# KiCad board sheaf65.kicad_pcb
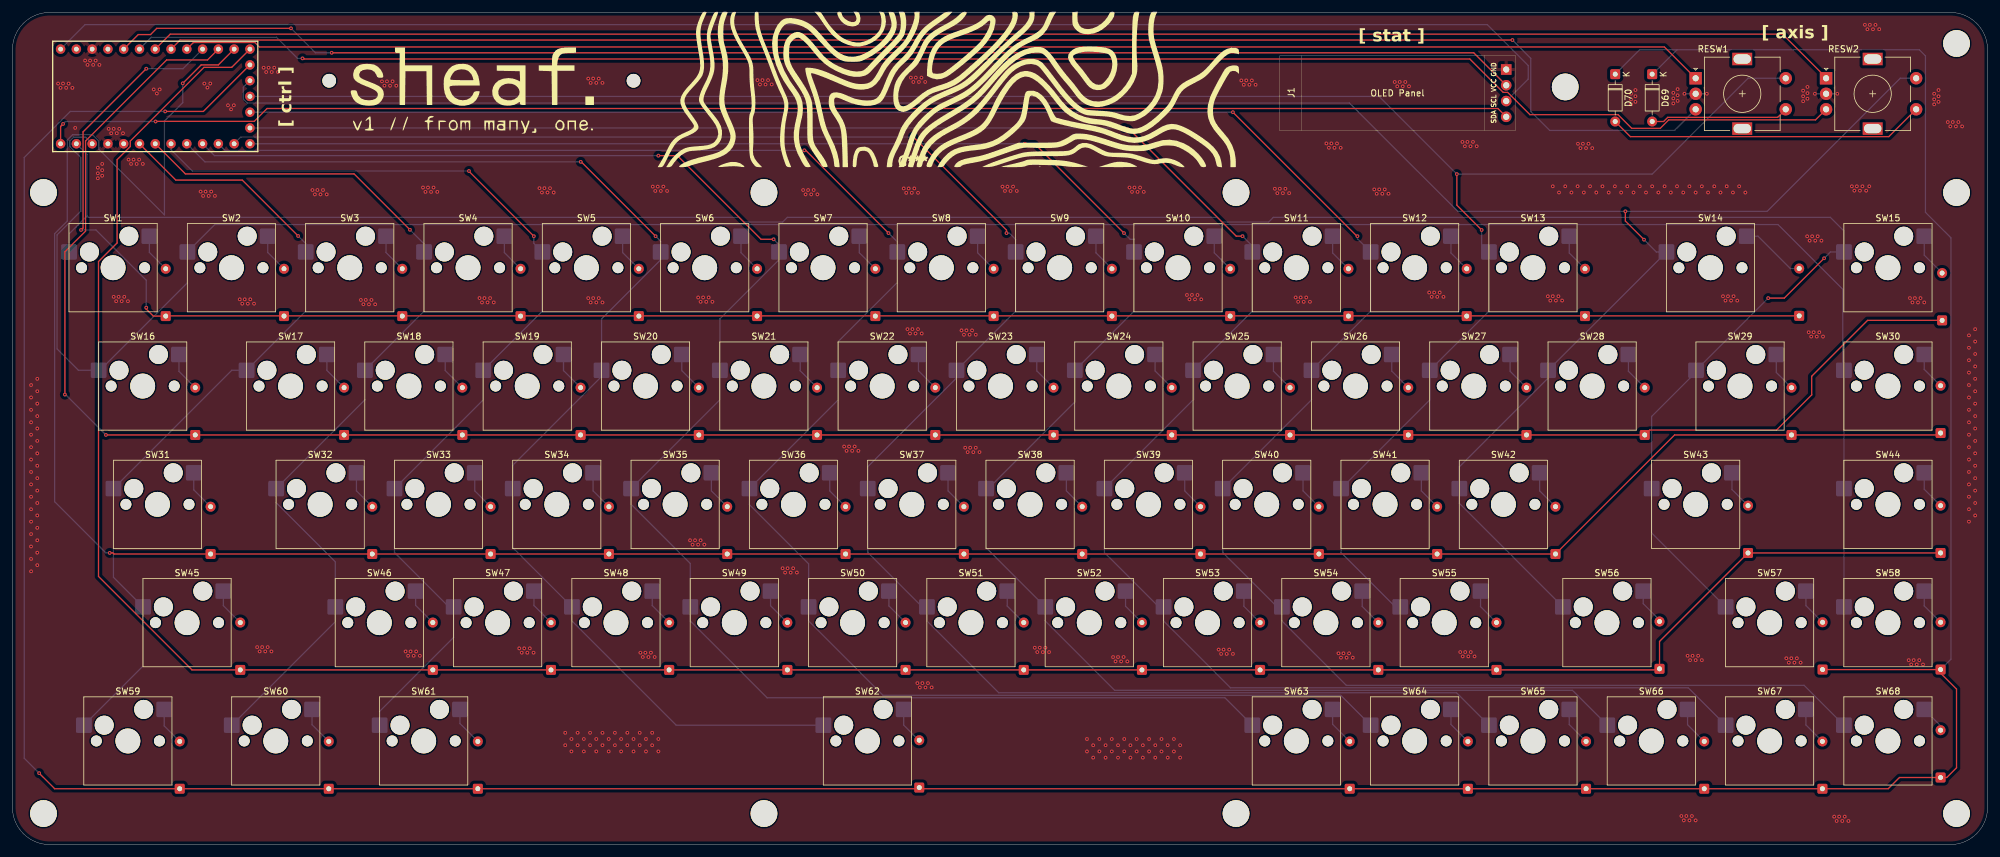
[diagram p0: board, top side]
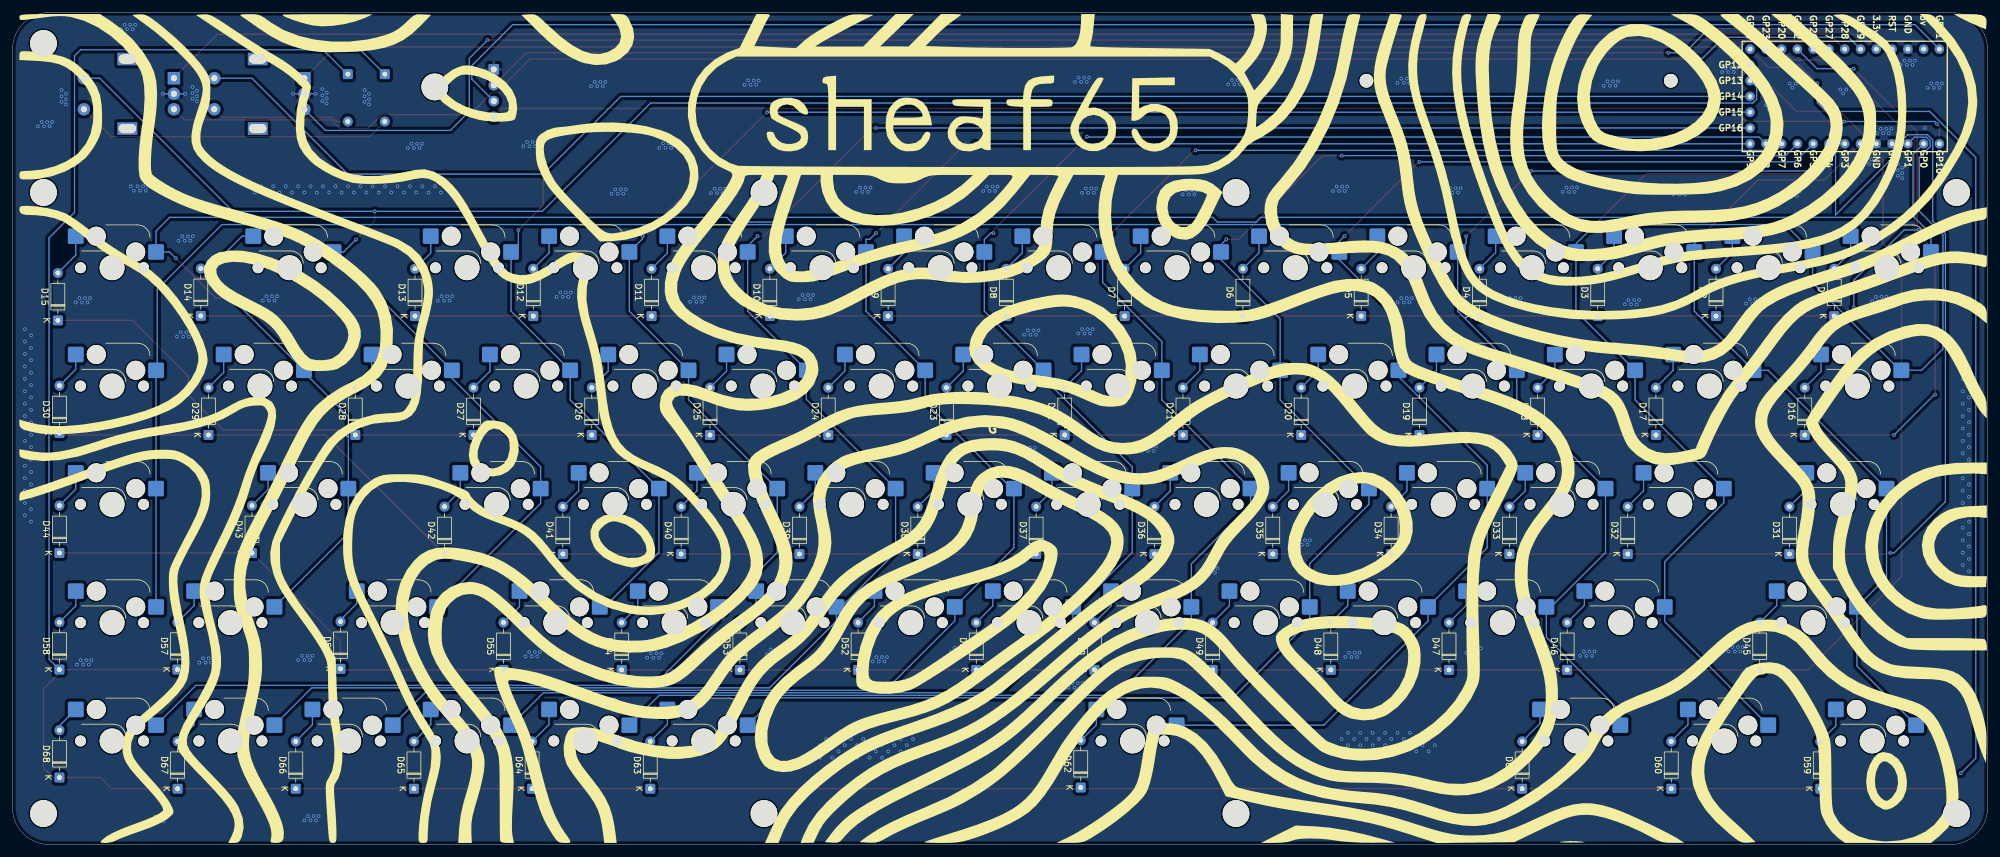
[diagram p1: board, bottom side, seen from below]

Outline 318 x 134 mm; copper layers: Top, Bottom. Coordinates in mm from the lower left corner of the outline.
Outline path: 0,128 arc(1.76,132.24) 6,134 312,134 arc(316.24,132.24) 318,128 318,6 arc(316.24,1.76) 312,0 6,0 arc(1.76,1.76) 0,6 0,128
Stack: Top 0.035mm / dielectric 1.51mm FR4 er 4.5 / Bottom 0.035mm

## Placement (name value [footprint] x y rotation side)
D1  1N4148  [D_DO-35_SOD27_P7.62mm_Horizontal]  24.68 85.1 90 bottom
D2  1N4148  [D_DO-35_SOD27_P7.62mm_Horizontal]  43.72 85.1 90 bottom
D3  1N4148  [D_DO-35_SOD27_P7.62mm_Horizontal]  62.77 85.1 90 bottom
D4  1N4148  [D_DO-35_SOD27_P7.62mm_Horizontal]  81.81 85.1 90 bottom
D5  1N4148  [D_DO-35_SOD27_P7.62mm_Horizontal]  100.85 85.1 90 bottom
D6  1N4148  [D_DO-35_SOD27_P7.62mm_Horizontal]  119.89 85.1 90 bottom
D7  1N4148  [D_DO-35_SOD27_P7.62mm_Horizontal]  138.93 85.1 90 bottom
D8  1N4148  [D_DO-35_SOD27_P7.62mm_Horizontal]  157.97 85.1 90 bottom
D9  1N4148  [D_DO-35_SOD27_P7.62mm_Horizontal]  177.02 85.1 90 bottom
D10  1N4148  [D_DO-35_SOD27_P7.62mm_Horizontal]  196.06 85.1 90 bottom
D11  1N4148  [D_DO-35_SOD27_P7.62mm_Horizontal]  215.1 85.1 90 bottom
D12  1N4148  [D_DO-35_SOD27_P7.62mm_Horizontal]  234.14 85.1 90 bottom
D13  1N4148  [D_DO-35_SOD27_P7.62mm_Horizontal]  253.18 85.1 90 bottom
D14  1N4148  [D_DO-35_SOD27_P7.62mm_Horizontal]  287.67 85.14 90 bottom
D15  1N4148  [D_DO-35_SOD27_P7.62mm_Horizontal]  310.68 84.41 90 bottom
D16  1N4148  [D_DO-35_SOD27_P7.62mm_Horizontal]  29.43 65.96 90 bottom
D17  1N4148  [D_DO-35_SOD27_P7.62mm_Horizontal]  53.4 65.96 90 bottom
D18  1N4148  [D_DO-35_SOD27_P7.62mm_Horizontal]  72.44 65.96 90 bottom
D19  1N4148  [D_DO-35_SOD27_P7.62mm_Horizontal]  91.47 65.96 90 bottom
D20  1N4148  [D_DO-35_SOD27_P7.62mm_Horizontal]  110.51 65.96 90 bottom
D21  1N4148  [D_DO-35_SOD27_P7.62mm_Horizontal]  129.55 65.96 90 bottom
D22  1N4148  [D_DO-35_SOD27_P7.62mm_Horizontal]  148.58 65.96 90 bottom
D23  1N4148  [D_DO-35_SOD27_P7.62mm_Horizontal]  167.62 65.96 90 bottom
D24  1N4148  [D_DO-35_SOD27_P7.62mm_Horizontal]  186.66 65.96 90 bottom
D25  1N4148  [D_DO-35_SOD27_P7.62mm_Horizontal]  205.69 65.96 90 bottom
D26  1N4148  [D_DO-35_SOD27_P7.62mm_Horizontal]  224.73 65.96 90 bottom
D27  1N4148  [D_DO-35_SOD27_P7.62mm_Horizontal]  243.77 65.96 90 bottom
D28  1N4148  [D_DO-35_SOD27_P7.62mm_Horizontal]  262.8 65.96 90 bottom
D29  1N4148  [D_DO-35_SOD27_P7.62mm_Horizontal]  286.43 65.96 90 bottom
D30  1N4148  [D_DO-35_SOD27_P7.62mm_Horizontal]  310.43 66.27 90 bottom
D31  1N4148  [D_DO-35_SOD27_P7.62mm_Horizontal]  31.91 46.79 90 bottom
D32  1N4148  [D_DO-35_SOD27_P7.62mm_Horizontal]  57.93 46.79 90 bottom
D33  1N4148  [D_DO-35_SOD27_P7.62mm_Horizontal]  76.98 46.79 90 bottom
D34  1N4148  [D_DO-35_SOD27_P7.62mm_Horizontal]  96.03 46.79 90 bottom
D35  1N4148  [D_DO-35_SOD27_P7.62mm_Horizontal]  115.08 46.79 90 bottom
D36  1N4148  [D_DO-35_SOD27_P7.62mm_Horizontal]  134.13 46.79 90 bottom
D37  1N4148  [D_DO-35_SOD27_P7.62mm_Horizontal]  153.18 46.79 90 bottom
D38  1N4148  [D_DO-35_SOD27_P7.62mm_Horizontal]  172.23 46.79 90 bottom
D39  1N4148  [D_DO-35_SOD27_P7.62mm_Horizontal]  191.28 46.79 90 bottom
D40  1N4148  [D_DO-35_SOD27_P7.62mm_Horizontal]  210.33 46.79 90 bottom
D41  1N4148  [D_DO-35_SOD27_P7.62mm_Horizontal]  229.38 46.79 90 bottom
D42  1N4148  [D_DO-35_SOD27_P7.62mm_Horizontal]  248.43 46.79 90 bottom
D43  1N4148  [D_DO-35_SOD27_P7.62mm_Horizontal]  279.43 46.96 90 bottom
D44  1N4148  [D_DO-35_SOD27_P7.62mm_Horizontal]  310.43 46.96 90 bottom
D45  1N4148  [D_DO-35_SOD27_P7.62mm_Horizontal]  36.68 28.13 90 bottom
D46  1N4148  [D_DO-35_SOD27_P7.62mm_Horizontal]  67.68 28.13 90 bottom
D47  1N4148  [D_DO-35_SOD27_P7.62mm_Horizontal]  86.71 28.13 90 bottom
D48  1N4148  [D_DO-35_SOD27_P7.62mm_Horizontal]  105.74 28.13 90 bottom
D49  1N4148  [D_DO-35_SOD27_P7.62mm_Horizontal]  124.77 28.13 90 bottom
D50  1N4148  [D_DO-35_SOD27_P7.62mm_Horizontal]  143.79 28.13 90 bottom
D51  1N4148  [D_DO-35_SOD27_P7.62mm_Horizontal]  162.82 28.13 90 bottom
D52  1N4148  [D_DO-35_SOD27_P7.62mm_Horizontal]  181.85 28.13 90 bottom
D53  1N4148  [D_DO-35_SOD27_P7.62mm_Horizontal]  200.88 28.13 90 bottom
D54  1N4148  [D_DO-35_SOD27_P7.62mm_Horizontal]  219.9 28.13 90 bottom
D55  1N4148  [D_DO-35_SOD27_P7.62mm_Horizontal]  238.93 28.13 90 bottom
D56  1N4148  [D_DO-35_SOD27_P7.62mm_Horizontal]  265.18 28.3 90 bottom
D57  1N4148  [D_DO-35_SOD27_P7.62mm_Horizontal]  291.43 28.18 90 bottom
D58  1N4148  [D_DO-35_SOD27_P7.62mm_Horizontal]  310.43 28.18 90 bottom
D59  1N4148  [D_DO-35_SOD27_P7.62mm_Horizontal]  26.93 8.99 90 bottom
D60  1N4148  [D_DO-35_SOD27_P7.62mm_Horizontal]  50.93 8.99 90 bottom
D61  1N4148  [D_DO-35_SOD27_P7.62mm_Horizontal]  74.93 8.99 90 bottom
D62  1N4148  [D_DO-35_SOD27_P7.62mm_Horizontal]  146 9.18 90 bottom
D63  1N4148  [D_DO-35_SOD27_P7.62mm_Horizontal]  215.31 8.99 90 bottom
D64  1N4148  [D_DO-35_SOD27_P7.62mm_Horizontal]  234.33 8.99 90 bottom
D65  1N4148  [D_DO-35_SOD27_P7.62mm_Horizontal]  253.36 8.99 90 bottom
D66  1N4148  [D_DO-35_SOD27_P7.62mm_Horizontal]  272.38 8.99 90 bottom
D67  1N4148  [D_DO-35_SOD27_P7.62mm_Horizontal]  291.41 8.99 90 bottom
D68  1N4148  [D_DO-35_SOD27_P7.62mm_Horizontal]  310.43 10.8 90 bottom
D69  1N4148  [D_DO-35_SOD27_P7.62mm_Horizontal]  264 124.06 270 top
D70  1N4148  [D_DO-35_SOD27_P7.62mm_Horizontal]  258.05 124.06 270 top
G***  LOGO  [sheaf65-top]  123.4 121.6 0 top
G***#2  LOGO  [sheaf65-back-new]  158.5 67 180 bottom
J1  OLED_128x32  [SSD1306-0.91-OLED-4pin-128x32]  204 127 0 top
REF**  -  [MountingHole_4.3mm_M4]  313 129 0 top
REF**#2  -  [MountingHole_4.3mm_M4]  197 5 0 top
REF**#3  -  [MountingHole_2.2mm_M2]  51 123 0 top
REF**#4  -  [MountingHole_4.3mm_M4]  121 105 0 top
REF**#5  -  [MountingHole_4.3mm_M4]  197 105 0 top
REF**#6  -  [MountingHole_2.2mm_M2]  100 123 0 top
REF**#7  -  [MountingHole_4.3mm_M4]  5 105 0 top
REF**#8  -  [MountingHole_4.3mm_M4]  121 5 0 top
REF**#9  -  [MountingHole_4.3mm_M4]  5 5 0 top
REF**#10  -  [MountingHole_4.3mm_M4]  313 5 0 top
REF**#11  -  [MountingHole_4.3mm_M4]  250 122 0 top
REF**#12  -  [MountingHole_4.3mm_M4]  313 105 0 top
RESW1  RotaryEncoder_Switch  [RotaryEncoder_Alps_EC11E-Switch_Vertical_H20mm]  271 123.4 0 top
RESW2  RotaryEncoder_Switch  [RotaryEncoder_Alps_EC11E-Switch_Vertical_H20mm]  292 123.4 0 top
SW1  SW_Push_45deg  [SW_Hotswap_Kailh_MX_1.00u]  16.21 92.89 0 top
SW2  SW_Push_45deg  [SW_Hotswap_Kailh_MX_1.00u]  35.26 92.89 0 top
SW3  SW_Push_45deg  [SW_Hotswap_Kailh_MX_1.00u]  54.31 92.89 0 top
SW4  SW_Push_45deg  [SW_Hotswap_Kailh_MX_1.00u]  73.36 92.89 0 top
SW5  SW_Push_45deg  [SW_Hotswap_Kailh_MX_1.00u]  92.41 92.89 0 top
SW6  SW_Push_45deg  [SW_Hotswap_Kailh_MX_1.00u]  111.46 92.89 0 top
SW7  SW_Push_45deg  [SW_Hotswap_Kailh_MX_1.00u]  130.51 92.89 0 top
SW8  SW_Push_45deg  [SW_Hotswap_Kailh_MX_1.00u]  149.56 92.89 0 top
SW9  SW_Push_45deg  [SW_Hotswap_Kailh_MX_1.00u]  168.61 92.89 0 top
SW10  SW_Push_45deg  [SW_Hotswap_Kailh_MX_1.00u]  187.66 92.89 0 top
SW11  SW_Push_45deg  [SW_Hotswap_Kailh_MX_1.00u]  206.71 92.89 0 top
SW12  SW_Push_45deg  [SW_Hotswap_Kailh_MX_1.00u]  225.76 92.89 0 top
SW13  SW_Push_45deg  [SW_Hotswap_Kailh_MX_1.00u]  244.81 92.89 0 top
SW14  SW_Push_45deg  [SW_Hotswap_Kailh_MX_2.00u]  273.38 92.89 0 top
SW15  SW_Push_45deg  [SW_Hotswap_Kailh_MX_1.00u]  301.96 92.89 0 top
SW16  SW_Push_45deg  [SW_Hotswap_Kailh_MX_1.50u]  20.97 73.84 0 top
SW17  SW_Push_45deg  [SW_Hotswap_Kailh_MX_1.00u]  44.78 73.84 0 top
SW18  SW_Push_45deg  [SW_Hotswap_Kailh_MX_1.00u]  63.83 73.84 0 top
SW19  SW_Push_45deg  [SW_Hotswap_Kailh_MX_1.00u]  82.88 73.84 0 top
SW20  SW_Push_45deg  [SW_Hotswap_Kailh_MX_1.00u]  101.93 73.84 0 top
SW21  SW_Push_45deg  [SW_Hotswap_Kailh_MX_1.00u]  120.98 73.84 0 top
SW22  SW_Push_45deg  [SW_Hotswap_Kailh_MX_1.00u]  140.03 73.84 0 top
SW23  SW_Push_45deg  [SW_Hotswap_Kailh_MX_1.00u]  159.08 73.84 0 top
SW24  SW_Push_45deg  [SW_Hotswap_Kailh_MX_1.00u]  178.13 73.84 0 top
SW25  SW_Push_45deg  [SW_Hotswap_Kailh_MX_1.00u]  197.18 73.84 0 top
SW26  SW_Push_45deg  [SW_Hotswap_Kailh_MX_1.00u]  216.23 73.84 0 top
SW27  SW_Push_45deg  [SW_Hotswap_Kailh_MX_1.00u]  235.28 73.84 0 top
SW28  SW_Push_45deg  [SW_Hotswap_Kailh_MX_1.00u]  254.33 73.84 0 top
SW29  SW_Push_45deg  [SW_Hotswap_Kailh_MX_1.50u]  278.15 73.84 0 top
SW30  SW_Push_45deg  [SW_Hotswap_Kailh_MX_1.00u]  301.96 73.84 0 top
SW31  SW_Push_45deg  [SW_Hotswap_Kailh_MX_1.75u]  23.35 54.79 0 top
SW32  SW_Push_45deg  [SW_Hotswap_Kailh_MX_1.00u]  49.55 54.79 0 top
SW33  SW_Push_45deg  [SW_Hotswap_Kailh_MX_1.00u]  68.6 54.79 0 top
SW34  SW_Push_45deg  [SW_Hotswap_Kailh_MX_1.00u]  87.65 54.79 0 top
SW35  SW_Push_45deg  [SW_Hotswap_Kailh_MX_1.00u]  106.7 54.79 0 top
SW36  SW_Push_45deg  [SW_Hotswap_Kailh_MX_1.00u]  125.75 54.79 0 top
SW37  SW_Push_45deg  [SW_Hotswap_Kailh_MX_1.00u]  144.8 54.79 0 top
SW38  SW_Push_45deg  [SW_Hotswap_Kailh_MX_1.00u]  163.85 54.79 0 top
SW39  SW_Push_45deg  [SW_Hotswap_Kailh_MX_1.00u]  182.9 54.79 0 top
SW40  SW_Push_45deg  [SW_Hotswap_Kailh_MX_1.00u]  201.95 54.79 0 top
SW41  SW_Push_45deg  [SW_Hotswap_Kailh_MX_1.00u]  221 54.79 0 top
SW42  SW_Push_45deg  [SW_Hotswap_Kailh_MX_1.00u]  240.05 54.79 0 top
SW43  SW_Push_45deg  [SW_Hotswap_Kailh_MX_2.25u]  271 54.79 0 top
SW44  SW_Push_45deg  [SW_Hotswap_Kailh_MX_1.00u]  301.96 54.79 0 top
SW45  SW_Push_45deg  [SW_Hotswap_Kailh_MX_2.25u]  28.11 35.74 0 top
SW46  SW_Push_45deg  [SW_Hotswap_Kailh_MX_1.00u]  59.07 35.74 0 top
SW47  SW_Push_45deg  [SW_Hotswap_Kailh_MX_1.00u]  78.12 35.74 0 top
SW48  SW_Push_45deg  [SW_Hotswap_Kailh_MX_1.00u]  97.17 35.74 0 top
SW49  SW_Push_45deg  [SW_Hotswap_Kailh_MX_1.00u]  116.22 35.74 0 top
SW50  SW_Push_45deg  [SW_Hotswap_Kailh_MX_1.00u]  135.27 35.74 0 top
SW51  SW_Push_45deg  [SW_Hotswap_Kailh_MX_1.00u]  154.32 35.74 0 top
SW52  SW_Push_45deg  [SW_Hotswap_Kailh_MX_1.00u]  173.37 35.74 0 top
SW53  SW_Push_45deg  [SW_Hotswap_Kailh_MX_1.00u]  192.42 35.74 0 top
SW54  SW_Push_45deg  [SW_Hotswap_Kailh_MX_1.00u]  211.47 35.74 0 top
SW55  SW_Push_45deg  [SW_Hotswap_Kailh_MX_1.00u]  230.52 35.74 0 top
SW56  SW_Push_45deg  [SW_Hotswap_Kailh_MX_1.75u]  256.71 35.74 0 top
SW57  SW_Push_45deg  [SW_Hotswap_Kailh_MX_1.00u]  282.91 35.74 0 top
SW58  SW_Push_45deg  [SW_Hotswap_Kailh_MX_1.00u]  301.96 35.74 0 top
SW59  SW_Push_45deg  [SW_Hotswap_Kailh_MX_1.25u]  18.59 16.69 0 top
SW60  SW_Push_45deg  [SW_Hotswap_Kailh_MX_1.25u]  42.4 16.69 0 top
SW61  SW_Push_45deg  [SW_Hotswap_Kailh_MX_1.25u]  66.21 16.69 0 top
SW62  SW_Push_45deg  [SW_Hotswap_Kailh_MX_6.25u]  137.65 16.69 0 top
SW63  SW_Push_45deg  [SW_Hotswap_Kailh_MX_1.00u]  206.71 16.69 0 top
SW64  SW_Push_45deg  [SW_Hotswap_Kailh_MX_1.00u]  225.76 16.69 0 top
SW65  SW_Push_45deg  [SW_Hotswap_Kailh_MX_1.00u]  244.81 16.69 0 top
SW66  SW_Push_45deg  [SW_Hotswap_Kailh_MX_1.00u]  263.86 16.69 0 top
SW67  SW_Push_45deg  [SW_Hotswap_Kailh_MX_1.00u]  282.91 16.69 0 top
SW68  SW_Push_45deg  [SW_Hotswap_Kailh_MX_1.00u]  301.96 16.69 0 top
U1  -  [RP2040_Pro_Micro]  24.27 120.47 90 top

## Library data of the parts
D1-D70 = -: Datasheet: https://assets.nexperia.com/documents/data-sheet/1N4148_1N4448.pdf; Description: 100V 0.15A standard switching diode, DO-35; Sim.Device: D; Sim.Pins: 1=K 2=A; ki_fp_filters: D*DO?35*
RESW1 RESW2 = -: Description: Rotary encoder, dual channel, incremental quadrate outputs, with switch; ki_fp_filters: RotaryEncoder*Switch*
SW1-SW68 = -: Description: Push button switch, normally open, two pins, 45° tilted

## Footprints (pads in the part's own frame, mm; a bottom-side part is the same pattern mirrored in y, then rotated)
D_DO-35_SOD27_P7.62mm_Horizontal
  rrect 1.6x1.6 hole 0.8: 1(0,0)
  round 1.6 hole 0.8: 2(7.62,0)
MountingHole_2.2mm_M2
  round 2.2 hole 2.2 unplated: (0,0)
MountingHole_4.3mm_M4
  round 4.3 hole 4.3 unplated: (0,0)
RotaryEncoder_Alps_EC11E-Switch_Vertical_H20mm
  rect 2x2 hole 1: A(0,0)
  round 2 hole 1: B(0,-5) C(0,-2.5) S1(14.5,-5) S2(14.5,0)
  rect 3.2x2 hole 2.8x1.5: MP(7.5,3.1) MP(7.5,-8.1)
RP2040_Pro_Micro
  round 1.524 hole 0.762: 1(-7.62,16.51) 2(-7.62,13.97) 3(-7.62,11.43) 4(-7.62,8.89) 5(-7.62,6.35) 6(-7.62,3.81) 7(-7.62,1.27) 8(-7.62,-1.27) 9(-7.62,-3.81) 10(-7.62,-6.35) 11(-7.62,-8.89) 12(-7.62,-11.43) 13(-7.62,-13.97) 14(-5.08,-13.97) 15(-2.54,-13.97) 16(0,-13.97) 17(2.54,-13.97) 18(5.08,-13.97) 19(7.62,-13.97) 20(7.62,-11.43) 21(7.62,-8.89) 22(7.62,-6.35) 23(7.62,-3.81) 24(7.62,-1.27) 25(7.62,1.27) 26(7.62,3.81) 27(7.62,6.35) 28(7.62,8.89) 29(7.62,11.43) 30(7.62,13.97) 31(7.62,16.51)
SSD1306-0.91-OLED-4pin-128x32
  rect 1.7x1.7 hole 1: 1(36.5,-2.19)
  oval 1.7x1.7 hole 1: 2(36.5,-4.73) 3(36.5,-7.27) 4(36.5,-9.81)
SW_Hotswap_Kailh_MX_1.00u
  round 1.75 hole 1.75 unplated: (-5.08,0) (5.08,0)
  round 3.05 hole 3.05 unplated: (-3.81,2.54) (2.54,5.08)
  round 4 hole 4 unplated: (0,0)
  rrect 2.55x2.5 smd far side: 1(-7.085,2.54) 2(5.842,5.08)
SW_Hotswap_Kailh_MX_1.25u
  round 1.75 hole 1.75 unplated: (-5.08,0) (5.08,0)
  round 3.05 hole 3.05 unplated: (-3.81,2.54) (2.54,5.08)
  round 4 hole 4 unplated: (0,0)
  rrect 2.55x2.5 smd far side: 1(-7.085,2.54) 2(5.842,5.08)
SW_Hotswap_Kailh_MX_1.50u
  round 1.75 hole 1.75 unplated: (-5.08,0) (5.08,0)
  round 3.05 hole 3.05 unplated: (-3.81,2.54) (2.54,5.08)
  round 4 hole 4 unplated: (0,0)
  rrect 2.55x2.5 smd far side: 1(-7.085,2.54) 2(5.842,5.08)
SW_Hotswap_Kailh_MX_1.75u
  round 1.75 hole 1.75 unplated: (-5.08,0) (5.08,0)
  round 3.05 hole 3.05 unplated: (-3.81,2.54) (2.54,5.08)
  round 4 hole 4 unplated: (0,0)
  rrect 2.55x2.5 smd far side: 1(-7.085,2.54) 2(5.842,5.08)
SW_Hotswap_Kailh_MX_2.00u
  round 1.75 hole 1.75 unplated: (-5.08,0) (5.08,0)
  round 3.05 hole 3.05 unplated: (-3.81,2.54) (2.54,5.08)
  round 4 hole 4 unplated: (0,0)
  rrect 2.55x2.5 smd far side: 1(-7.085,2.54) 2(5.842,5.08)
SW_Hotswap_Kailh_MX_2.25u
  round 1.75 hole 1.75 unplated: (-5.08,0) (5.08,0)
  round 3.05 hole 3.05 unplated: (-3.81,2.54) (2.54,5.08)
  round 4 hole 4 unplated: (0,0)
  rrect 2.55x2.5 smd far side: 1(-7.085,2.54) 2(5.842,5.08)
SW_Hotswap_Kailh_MX_6.25u
  round 1.75 hole 1.75 unplated: (-5.08,0) (5.08,0)
  round 3.05 hole 3.05 unplated: (-3.81,2.54) (2.54,5.08)
  round 4 hole 4 unplated: (0,0)
  rrect 2.55x2.5 smd far side: 1(-7.085,2.54) 2(5.842,5.08)

## Nets
GND: J1.1 RESW1.C RESW2.C U1.4 U1.5 U1.29
VCC: J1.2 U1.27
COL0: SW1.1 SW15.1 SW29.1 SW43.1 SW57.1 U1.2
COL1: SW2.1 SW16.1 SW30.1 SW44.1 SW58.1 U1.3
COL2: SW3.1 SW17.1 SW31.1 SW45.1 SW59.1 U1.6
COL3: SW4.1 SW18.1 SW32.1 SW46.1 SW60.1 U1.7
COL4: SW5.1 SW19.1 SW33.1 SW47.1 SW61.1 U1.8
COL5: SW6.1 SW20.1 SW34.1 SW48.1 SW62.1 U1.9
COL6: SW7.1 SW21.1 SW35.1 SW49.1 SW63.1 U1.10
COL7: SW8.1 SW22.1 SW36.1 SW50.1 SW64.1 U1.11
COL8: SW9.1 SW23.1 SW37.1 SW51.1 SW65.1 U1.12
COL9: SW10.1 SW24.1 SW38.1 SW52.1 SW66.1 U1.13
COL10: SW11.1 SW25.1 SW39.1 SW53.1 SW67.1 U1.14
COL11: SW12.1 SW26.1 SW40.1 SW54.1 SW68.1 U1.15
COL12: RESW1.S2 SW13.1 SW27.1 SW41.1 SW55.1 U1.16
COL13: RESW2.S2 SW14.1 SW28.1 SW42.1 SW56.1 U1.17
RESW1 A: RESW1.A U1.23
RESW1 B: RESW1.B U1.24
RESW1 S1: D69.2 RESW1.S1
RESW2 A: RESW2.A U1.25
RESW2 B: RESW2.B U1.26
RESW2 S1: D70.2 RESW2.S1
ROW0: D1.1 D2.1 D3.1 D4.1 D5.1 D6.1 D7.1 D8.1 D9.1 D10.1 D11.1 D12.1 D13.1 D14.1 U1.22
ROW1: D15.1 D16.1 D17.1 D18.1 D19.1 D20.1 D21.1 D22.1 D23.1 D24.1 D25.1 D26.1 D27.1 D28.1 U1.21
ROW2: D29.1 D30.1 D31.1 D32.1 D33.1 D34.1 D35.1 D36.1 D37.1 D38.1 D39.1 D40.1 D41.1 D42.1 U1.20
ROW3: D43.1 D44.1 D45.1 D46.1 D47.1 D48.1 D49.1 D50.1 D51.1 D52.1 D53.1 D54.1 D55.1 D56.1 U1.19
ROW4: D57.1 D58.1 D59.1 D60.1 D61.1 D62.1 D63.1 D64.1 D65.1 D66.1 D67.1 D68.1 D69.1 D70.1 U1.18
SCL: J1.3 U1.31
SDA: J1.4 U1.1
Net-(D1-A): D1.2 SW1.2
Net-(D2-A): D2.2 SW2.2
Net-(D3-A): D3.2 SW3.2
Net-(D4-A): D4.2 SW4.2
Net-(D5-A): D5.2 SW5.2
Net-(D6-A): D6.2 SW6.2
Net-(D7-A): D7.2 SW7.2
Net-(D8-A): D8.2 SW8.2
Net-(D9-A): D9.2 SW9.2
Net-(D10-A): D10.2 SW10.2
Net-(D11-A): D11.2 SW11.2
Net-(D12-A): D12.2 SW12.2
Net-(D13-A): D13.2 SW13.2
Net-(D14-A): D14.2 SW14.2
Net-(D15-A): D15.2 SW15.2
Net-(D16-A): D16.2 SW16.2
Net-(D17-A): D17.2 SW17.2
Net-(D18-A): D18.2 SW18.2
Net-(D19-A): D19.2 SW19.2
Net-(D20-A): D20.2 SW20.2
Net-(D21-A): D21.2 SW21.2
Net-(D22-A): D22.2 SW22.2
Net-(D23-A): D23.2 SW23.2
Net-(D24-A): D24.2 SW24.2
Net-(D25-A): D25.2 SW25.2
Net-(D26-A): D26.2 SW26.2
Net-(D27-A): D27.2 SW27.2
Net-(D28-A): D28.2 SW28.2
Net-(D29-A): D29.2 SW29.2
Net-(D30-A): D30.2 SW30.2
Net-(D31-A): D31.2 SW31.2
Net-(D32-A): D32.2 SW32.2
Net-(D33-A): D33.2 SW33.2
Net-(D34-A): D34.2 SW34.2
Net-(D35-A): D35.2 SW35.2
Net-(D36-A): D36.2 SW36.2
Net-(D37-A): D37.2 SW37.2
Net-(D38-A): D38.2 SW38.2
Net-(D39-A): D39.2 SW39.2
Net-(D40-A): D40.2 SW40.2
Net-(D41-A): D41.2 SW41.2
Net-(D42-A): D42.2 SW42.2
Net-(D43-A): D43.2 SW43.2
Net-(D44-A): D44.2 SW44.2
Net-(D45-A): D45.2 SW45.2
Net-(D46-A): D46.2 SW46.2
Net-(D47-A): D47.2 SW47.2
Net-(D48-A): D48.2 SW48.2
Net-(D49-A): D49.2 SW49.2
Net-(D50-A): D50.2 SW50.2
Net-(D51-A): D51.2 SW51.2
Net-(D52-A): D52.2 SW52.2
Net-(D53-A): D53.2 SW53.2
Net-(D54-A): D54.2 SW54.2
Net-(D55-A): D55.2 SW55.2
Net-(D56-A): D56.2 SW56.2
Net-(D57-A): D57.2 SW57.2
Net-(D58-A): D58.2 SW58.2
Net-(D59-A): D59.2 SW59.2
Net-(D60-A): D60.2 SW60.2
Net-(D61-A): D61.2 SW61.2
Net-(D62-A): D62.2 SW62.2
Net-(D63-A): D63.2 SW63.2
Net-(D64-A): D64.2 SW64.2
Net-(D65-A): D65.2 SW65.2
Net-(D66-A): D66.2 SW66.2
Net-(D67-A): D67.2 SW67.2
Net-(D68-A): D68.2 SW68.2

Pads without a net: RESW1 MP; RESW2 MP; U1 28 30

## Via types
v1: diameter 0.6, hole 0.3, Top to Bottom, 622 vias

## Routing (per net, layer and track width the routed paths; a pad name or vN(x,y) marks a point on that pad's centre or on a via; arc(x,y) is an arc through that point)
GND: length 7.2
  Bottom w0.2: v1(290.2,120.9) RESW2.C v1(293.8,120.9) ; v1(269.2,120.9) RESW1.C v1(272.8,120.9)
  vias: v1(3,74) v1(3,72) v1(3,70) v1(3,68) v1(3,66) v1(3,64) v1(3,62) v1(3,60) v1(3,58) v1(3,56) v1(3,54) v1(3,52) v1(3,50) v1(3,48) v1(3,46) v1(3,44) v1(4,75) v1(4,73) v1(4,71) v1(4,69) v1(4,67) v1(4,65) v1(4,63) v1(4,61) v1(4,59) v1(4,57) v1(4,55) v1(4,53) v1(4,51) v1(4,49) v1(4,47) v1(4,45) v1(7.35,122.55) v1(7.75,121.85) v1(8.15,122.55) v1(8.65,121.85) v1(9.05,122.55) v1(9.65,121.85) v1(10.1,115.4) v1(11.7,126.25) v1(12.1,125.55) v1(12.5,126.25) v1(13,125.55) v1(13.4,126.25) v1(13.75,109) v1(13.75,108.1) v1(13.75,107.3) v1(14,125.55) v1(14.45,109.6) v1(14.45,108.6) v1(14.45,107.7) v1(15.5,115.25) v1(15.9,114.55) v1(16.3,115.25) v1(16.3,88.2) v1(16.7,87.5) v1(16.8,114.55) v1(17.1,88.2) v1(17.2,115.25) v1(17.6,87.5) v1(17.8,114.55) v1(18,88.2) v1(18.6,87.5) v1(18.7,110.3) v1(19.1,109.6) v1(19.5,110.3) v1(20,109.6) v1(20.4,110.3) v1(21,109.6) v1(22.75,121.6) v1(23.25,120.95) v1(23.7,121.6) v1(30.3,105.15) v1(30.7,104.45) v1(30.9,122.55) v1(31.1,105.15) v1(31.4,121.9) v1(31.6,104.45) v1(31.85,122.55) v1(32,105.15) v1(32.6,104.45) v1(34.7,119.05) v1(35.2,118.4) v1(35.65,119.05) v1(36.6,87.8) v1(37,87.1) v1(37.4,87.8) v1(37.9,87.1) v1(38.3,87.8) v1(38.9,87.1) v1(39.4,31.8) v1(39.8,31.1) v1(40.2,31.8) v1(40.45,125.1) v1(40.7,31.1) v1(40.85,124.4) v1(41.1,31.8) v1(41.25,125.1) v1(41.7,31.1) v1(41.75,124.4) v1(42.15,125.1) v1(42.75,124.4) v1(48.3,105.4) v1(48.7,104.7) v1(49.1,105.4) v1(49.6,104.7) v1(50,105.4) v1(50.6,104.7) v1(56.1,87.7) v1(56.5,87) v1(56.9,87.7) v1(57.4,87) v1(57.8,87.7) v1(58.4,87) v1(59.5,122.9) v1(59.9,122.2) v1(60.3,122.9) v1(60.8,122.2) v1(61.2,122.9) v1(61.8,122.2) v1(63.3,31.1) v1(63.7,30.4) v1(64.1,31.1) v1(64.6,30.4) v1(65,31.1) v1(65.6,30.4) v1(66.1,105.8) v1(66.5,105.1) v1(66.9,105.8) v1(67.4,105.1) v1(67.8,105.8) v1(68.4,105.1) v1(75.2,88) v1(75.6,87.3) v1(76,88) v1(76.5,87.3) v1(76.9,88) v1(77.5,87.3) v1(81.6,31.6) v1(82,30.9) v1(82.4,31.6) v1(82.9,30.9) v1(83.3,31.6) v1(83.9,30.9) v1(84.85,105.7) v1(85.25,105) v1(85.65,105.7) v1(86.15,105) v1(86.55,105.7) v1(87.15,105) v1(89,18) v1(89,16) v1(90,17) v1(90,15) v1(91,18) v1(91,16) v1(92,17) v1(92,15) v1(92.7,123.35) v1(92.7,88) v1(93,18) v1(93,16) v1(93.1,122.65) v1(93.1,87.3) v1(93.5,123.35) v1(93.5,88) v1(94,122.65) v1(94,87.3) v1(94,17) v1(94,15) v1(94.4,123.35) v1(94.4,88) v1(95,122.65) v1(95,87.3) v1(95,18) v1(95,16) v1(96,17) v1(96,15) v1(97,18) v1(97,16) v1(98,17) v1(98,15) v1(99,18) v1(99,16) v1(100,17) v1(100,15) v1(101,18) v1(101,16) v1(101.1,30.9) v1(101.5,30.2) v1(101.9,30.9) v1(102,17) v1(102,15) v1(102.4,30.2) v1(102.8,30.9) v1(103,18) v1(103,16) v1(103.1,105.95) v1(103.4,30.2) v1(103.5,105.25) v1(103.9,105.95) v1(104,17) v1(104,15) v1(104.4,105.25) v1(104.8,105.95) v1(105.4,105.25) v1(109.1,49) v1(109.5,48.3) v1(109.9,49) v1(110.4,88.1) v1(110.4,48.3) v1(110.8,87.4) v1(110.8,49) v1(111.2,88.1) v1(111.4,48.3) v1(111.7,87.4) v1(112.1,88.1) v1(112.7,87.4) v1(119.95,123.1) v1(120.35,122.4) v1(120.75,123.1) v1(121.25,122.4) v1(121.65,123.1) v1(122.25,122.4) v1(124,44.5) v1(124.4,43.8) v1(124.8,44.5) v1(125.3,43.8) v1(125.7,44.5) v1(126.3,43.8) v1(127.3,105.4) v1(127.7,104.7) v1(128.1,105.4) v1(128.6,104.7) v1(129,105.4) v1(129.6,104.7) v1(133.9,64.1) v1(134.3,63.4) v1(134.7,64.1) v1(135.2,63.4) v1(135.6,64.1) v1(136.2,63.4) v1(143.5,105.65) v1(143.9,104.95) v1(144.1,83) v1(144.3,105.65) v1(144.5,82.3) v1(144.65,123.5) v1(144.8,104.95) v1(144.9,83) v1(145.05,122.8) v1(145.2,105.65) v1(145.4,82.3) v1(145.45,123.5) v1(145.7,26) v1(145.8,104.95) v1(145.8,83) v1(145.95,122.8) v1(146.1,25.3) v1(146.35,123.5) v1(146.4,82.3) v1(146.5,26) v1(146.95,122.8) v1(147,25.3) v1(147.4,26) v1(148,25.3) v1(152.8,82.8) v1(153.2,82.1) v1(153.4,63.9) v1(153.6,82.8) v1(153.8,63.2) v1(154.1,82.1) v1(154.2,63.9) v1(154.5,82.8) v1(154.7,63.2) v1(155.1,82.1) v1(155.1,63.9) v1(155.7,63.2) v1(159.4,105.95) v1(159.8,105.25) v1(160.2,105.95) v1(160.7,105.25) v1(161.1,105.95) v1(161.7,105.25) v1(164.6,31.7) v1(165,31) v1(165.4,31.7) v1(165.9,31) v1(166.3,31.7) v1(166.9,31) v1(173,17) v1(173,15) v1(174,16) v1(174,14) v1(175,17) v1(175,15) v1(176,16) v1(176,14) v1(177,17) v1(177,15) v1(177.2,30.2) v1(177.6,29.5) v1(178,30.2) v1(178,16) v1(178,14) v1(178.5,29.5) v1(178.9,30.2) v1(179,17) v1(179,15) v1(179.5,29.5) v1(179.85,105.8) v1(180,16) v1(180,14) v1(180.25,105.1) v1(180.65,105.8) v1(181,17) v1(181,15) v1(181.15,105.1) v1(181.55,105.8) v1(182,16) v1(182,14) v1(182.15,105.1) v1(183,17) v1(183,15) v1(184,16) v1(184,14) v1(185,17) v1(185,15) v1(186,16) v1(186,14) v1(187,17) v1(187,15) v1(188,16) v1(188,14) v1(189.1,88.5) v1(189.5,87.8) v1(189.9,88.5) v1(190.4,87.8) v1(190.8,88.5) v1(191.4,87.8) v1(194.2,31.4) v1(194.6,30.7) v1(195,31.4) v1(195.5,30.7) v1(195.9,31.4) v1(196.5,30.7) v1(197.85,123.05) v1(198.25,122.35) v1(198.65,123.05) v1(199.15,122.35) v1(199.55,123.05) v1(200.15,122.35) v1(203.25,105.6) v1(203.65,104.9) v1(204.05,105.6) v1(204.55,104.9) v1(204.95,105.6) v1(205.55,104.9) v1(206.6,88.1) v1(207,87.4) v1(207.4,88.1) v1(207.9,87.4) v1(208.3,88.1) v1(208.9,87.4) v1(211.55,112.9) v1(211.95,112.2) v1(212.35,112.9) v1(212.85,112.2) v1(213.25,112.9) v1(213.5,30.8) v1(213.85,112.2) v1(213.9,30.1) v1(214.3,30.8) v1(214.8,30.1) v1(215.2,30.8) v1(215.8,30.1) v1(219.25,105.5) v1(219.65,104.8) v1(220.05,105.5) v1(220.55,104.8) v1(220.95,105.5) v1(221.55,104.8) v1(222.55,122.8) v1(222.95,122.1) v1(223.35,122.8) v1(223.85,122.1) v1(224.25,122.8) v1(224.85,122.1) v1(228.1,88.9) v1(228.5,88.2) v1(228.9,88.9) v1(229.4,88.2) v1(229.8,88.9) v1(230.4,88.2) v1(233.1,31) v1(233.45,113.15) v1(233.5,30.3) v1(233.85,112.45) v1(233.9,31) v1(234.25,113.15) v1(234.4,30.3) v1(234.75,112.45) v1(234.8,31) v1(235.15,113.15) v1(235.4,30.3) v1(235.75,112.45) v1(247.2,88.3) v1(247.6,87.6) v1(248,106) v1(248,88.3) v1(248.5,87.6) v1(248.9,88.3) v1(249,105) v1(249.5,87.6) v1(250,106) v1(251,105) v1(252,106) v1(252.05,112.85) v1(252.45,112.15) v1(252.85,112.85) v1(253,105) v1(253.35,112.15) v1(253.75,112.85) v1(254,106) v1(254.35,112.15) v1(255,105) v1(256,106) v1(257,105) v1(258,106) v1(259,105) v1(260,106) v1(260.6,120.9) v1(260.6,120) v1(260.6,119.2) v1(261,105) v1(261.3,121.5) v1(261.3,120.5) v1(261.3,119.6) v1(262,106) v1(263,105) v1(264,106) v1(265,105) v1(266,106) v1(267,105) v1(267.4,121.05) v1(267.4,120.15) v1(267.4,119.35) v1(268,106) v1(268.1,121.65) v1(268.1,120.65) v1(268.1,119.75) v1(268.7,4.6) v1(269,105) v1(269.1,3.9) v1(269.5,4.6) v1(269.7,30.4) v1(270,106) v1(270,3.9) v1(270.1,29.7) v1(270.4,4.6) v1(270.5,30.4) v1(271,105) v1(271,29.7) v1(271,3.9) v1(271.4,30.4) v1(272,106) v1(272,29.7) v1(273,105) v1(274,106) v1(275,105) v1(275.4,88.3) v1(275.8,87.6) v1(276,106) v1(276.2,88.3) v1(276.7,87.6) v1(277,105) v1(277.1,88.3) v1(277.7,87.6) v1(278,106) v1(279,105) v1(285.6,30) v1(286,29.3) v1(286.4,30) v1(286.9,29.3) v1(287.3,30) v1(287.9,29.3) v1(288.3,121.4) v1(288.3,120.5) v1(288.3,119.7) v1(289,122) v1(289,121) v1(289,120.1) v1(288.95,97.95) v1(289.2,82.5) v1(289.35,97.25) v1(289.6,81.8) v1(289.75,97.95) v1(290,82.5) v1(290.25,97.25) v1(290.5,81.8) v1(290.65,97.95) v1(290.9,82.5) v1(291.25,97.25) v1(291.5,81.8) v1(293.3,4.5) v1(293.7,3.8) v1(294.1,4.5) v1(294.6,3.8) v1(295,4.5) v1(295.6,3.8) v1(296.15,106) v1(296.55,105.3) v1(296.95,106) v1(297.45,105.3) v1(297.85,106) v1(298.25,132) v1(298.45,105.3) v1(298.65,131.3) v1(298.95,106) v1(299.05,132) v1(299.55,131.3) v1(299.95,132) v1(300.55,131.3) v1(305.3,29.7) v1(305.5,88) v1(305.7,29) v1(305.9,87.3) v1(306.1,29.7) v1(306.3,88) v1(306.6,29) v1(306.8,87.3) v1(307,29.7) v1(307.2,88) v1(307.6,29) v1(307.8,87.3) v1(309.4,120.9) v1(309.4,120) v1(309.4,119.2) v1(310.1,121.5) v1(310.1,120.5) v1(310.1,119.6) v1(311.6,116.35) v1(312,115.65) v1(312.4,116.35) v1(312.9,115.65) v1(313.3,116.35) v1(313.9,115.65) v1(315,82) v1(315,80) v1(315,78) v1(315,76) v1(315,74) v1(315,72) v1(315,70) v1(315,68) v1(315,66) v1(315,64) v1(315,62) v1(315,60) v1(315,58) v1(315,56) v1(315,54) v1(315,52) v1(316,83) v1(316,81) v1(316,79) v1(316,77) v1(316,75) v1(316,73) v1(316,71) v1(316,69) v1(316,67) v1(316,65) v1(316,63) v1(316,61) v1(316,59) v1(316,57) v1(316,55) v1(316,53)
VCC: length 227.8
  Top w0.2: v1(51.4,127.5) 235.27,127.5 J1.2 ; v1(44.85,131.44) 23.24,131.44 22.24,130.44 20.26,130.44 U1.27
  Bottom w0.2: v1(51.4,127.5) 48.78,127.5 v1(44.85,131.44)
COL0: length 385.6
  Top w0.2: v1(282.68,88) 285.27,88 v1(291.68,94.41)
  Bottom w0.2: U1.2 12,111.15 12,101.22 ; 11.92,101.14 11.89,101.11 ; 11.89,101.11 9.12,98.34 SW1.1 ; 11.89,101.11 12,101.22 ; 12,101.22 12.22,101 117,101 117.76,100.24 124,100.24 124.76,101 194,101 194.76,100.24 202.24,100.24 203,101 292.68,101 294.87,98.81 SW15.1 292.7,95.43 v1(291.68,94.41) ; SW57.1 263.92,50.18 SW43.1 263.92,68.94 271.06,76.09 SW29.1 v1(282.68,88)
COL1: length 397.2
  Bottom w0.2: SW58.1 SW44.1 SW30.1 294.68,76.57 294.68,89.41 284.25,99.84 32.59,99.84 SW2.1 28.17,90.48 14.07,76.38 SW16.1 10.62,76.38 7.19,79.81 7.19,98.19 11,102 11,110.65 9.23,112.41 9.23,113.29 9.86,113.91 11.77,113.91 U1.3
COL2: length 131.1
  Top w0.2: U1.6 26.31,107 37,107 v1(46,98)
  Bottom w0.2: SW59.1 21.03,28.75 SW45.1 16.27,43.04 SW31.1 35.32,76.38 SW17.1 47.22,85.9 SW3.1 47.22,96.78 v1(46,98)
COL3: length 148.2
  Top w0.2: v1(64,99) 55,108 27.85,108 U1.7
  Bottom w0.2: v1(64,99) 66.27,96.73 SW4.1 66.27,85.9 SW18.1 56.75,71.61 SW32.1 42.46,55.06 51.99,45.53 SW46.1 51.99,35.89 SW60.1
COL4: length 163.7
  Top w0.2: v1(73.5,108.47) 73.5,108.41 v1(83.95,97.97)
  Bottom w0.2: SW61.1 59.13,21.46 71.04,33.37 SW47.1 70.26,38.28 61.51,47.03 SW33.1 75.8,71.61 SW19.1 85.32,85.9 SW5.1 83.95,96.8 v1(83.95,97.97) ; v1(73.5,108.47) 28.95,108.47 25.54,111.88 U1.8
COL5: length 205.2
  Top w0.2: v1(103.55,97.97) 91.58,109.94 v1(91.5,109.94)
  Bottom w0.2: U1.9 30.99,109.94 v1(91.5,109.94) ; v1(103.55,97.97) 104.37,97.14 SW6.1 104.37,94.18 94.85,84.65 SW20.1 94.85,75.38 80.56,61.09 SW34.1 80.56,47.8 SW48.1 90.09,36.01 106.87,19.23 SW62.1
COL6: length 271.4
  Top w0.2: v1(122.55,97.47) 120.53,97.47 107.06,110.94 v1(104,110.94)
  Bottom w0.2: U1.10 32.53,110.94 v1(104,110.94) ; v1(122.55,97.47) 123.42,96.59 SW7.1 123.42,94.18 113.9,84.65 SW21.1 113.9,71.61 SW35.1 99.61,54.78 109.14,45.26 SW49.1 109.14,36.01 121.5,23.64 195.21,23.64 SW63.1
COL7: length 288.1
  Top w0.2: v1(141.05,98.47) 127.72,111.79 v1(127.5,111.79)
  Bottom w0.2: U1.11 34.22,111.79 v1(127.5,111.79) ; SW64.1 213.86,24.04 140.15,24.04 128.19,36.01 SW50.1 128.19,45.21 118.66,54.73 SW36.1 132.95,71.61 SW22.1 132.95,81 142.47,90.53 SW8.1 142.47,97.04 v1(141.05,98.47)
COL8: length 306.6
  Top w0.2: v1(145,114) 160.05,98.95 v1(160.05,98.47)
  Bottom w0.2: v1(145,114) 144.94,113.94 36.78,113.94 U1.12 ; SW65.1 232.51,24.44 158.8,24.44 147.24,36.01 SW51.1 146.46,38.28 137.71,47.03 SW37.1 137.71,60.84 152,75.13 SW23.1 161.52,85.9 SW9.1 161.52,97.44 160.5,98.47 v1(160.05,98.47)
COL9: length 321.6
  Top w0.2: v1(178.96,98.47) 164.58,112.85 v1(163,112.85)
  Bottom w0.2: SW66.1 251.16,24.84 177.45,24.84 166.29,36.01 SW52.1 156.76,47.8 SW38.1 157.1,57.33 171.05,71.27 SW24.1 180.57,85.9 SW10.1 180.57,97.44 180.55,97.47 179.96,97.47 v1(178.96,98.47) ; v1(163,112.85) U1.13
COL10: length 341.4
  Top w0.2: v1(198.05,97.97) 197.03,97.97 179.61,115.39 v1(179,115.39)
  Bottom w0.2: v1(179,115.39) U1.14 ; SW67.1 269.81,25.24 196.1,25.24 185.34,36.01 SW53.1 184.56,38.28 175.81,47.03 SW39.1 190.18,71.7 190.18,76.29 SW25.1 199.62,85.9 SW11.1 199.62,96.39 v1(198.05,97.97)
COL11: length 361.1
  Top w0.2: v1(216.55,97.97) 216.46,97.97 v1(196.5,117.93)
  Bottom w0.2: U1.15 v1(196.5,117.93) ; v1(216.55,97.97) 216.55,97.55 SW12.1 218.67,85.9 SW26.1 209.15,71.61 SW40.1 194.86,47.03 203.61,38.28 SW54.1 204.39,36.01 214.75,25.64 288.46,25.64 SW68.1
COL12: length 344.9
  Top w0.2: v1(236.55,98.97) 232.55,102.97 v1(232.55,107.97)
  Bottom w0.2: U1.16 220.04,120.47 v1(232.55,107.97) 264,107.97 279.43,123.4 RESW1.S2 ; SW55.1 222.66,38.28 213.91,47.03 SW41.1 228.2,71.61 SW27.1 237.72,85.9 SW13.1 236.55,96.6 v1(236.55,98.97)
COL13: length 377.2
  Top w0.2: v1(259.68,101.97) 259.68,100.41 v1(262.68,97.41)
  Bottom w0.2: SW56.1 232.96,54.94 SW42.1 232.96,60.84 247.25,75.13 SW28.1 SW14.1 264.67,95.43 v1(262.68,97.41) ; U1.17 37.17,121.95 37.17,120.03 37.8,119.41 215.26,119.41 232.7,101.97 v1(259.68,101.97) 282.5,101.97 303.93,123.4 RESW2.S2
RESW1 A: length 245.7
  Top w0.2: RESW1.A 265.96,128.44 39.76,128.44 39.05,129.15 29.14,129.15 U1.23
RESW1 B: length 258.5
  Top w0.2: v1(241.5,129.55) 27,129.55 U1.24
  Bottom w0.2: v1(241.5,129.55) 244.45,126.61 244.45,118.05 247.5,115 267.6,115 RESW1.B
RESW1 S1: length 22.3
  Top w0.2: D69.2 265.84,116.44 266.5,117.1 284.2,117.1 RESW1.S1
RESW2 A: length 273
  Top w0.2: U1.25 25.4,130.5 285,130.5 292,123.5 RESW2.A
RESW2 B: length 279.7
  Top w0.2: v1(46.7,126.6) 46.9,126.6 47,126.5 234.64,126.5 240.02,121.12 240.74,121.12 244.32,117.54 258.5,117.54 260.7,115.34 265.3,115.34 266.67,116.7 290.3,116.7 RESW2.B
  Bottom w0.2: v1(46.7,126.6) 45.9,126.6 42.5,130 22.36,130 U1.26
RESW2 S1: length 51.3
  Top w0.2: RESW2.S1 302.1,114 260.48,114 D70.2
ROW0: length 325.8
  Top w0.2: v1(11.05,98.97) 11.37,99.29 11.37,114.76 v1(21.55,124.94) ; D14.1 24.72,85.14 D1.1 22.68,85.1 21.55,86.24 v1(21.55,86.47)
  Bottom w0.2: v1(21.55,124.94) 27.46,124.94 U1.22 ; v1(11.05,98.97) 13.45,98.97 21.55,90.87 v1(21.55,86.47)
ROW1: length 384
  Top w0.2: U1.21 31.42,126.35 24.83,126.35 11.77,113.29 11.77,98.79 8.45,95.46 v1(8.45,72.47) ; D15.1 298.68,84.41 289.68,75.41 289.68,72.41 284.02,66.75 263.59,66.75 D28.1 D16.1 v1(15.05,65.96)
  Bottom w0.2: v1(8.45,72.47) 8.55,72.47 v1(15.05,65.96)
ROW2: length 429.4
  Top w0.2: U1.20 33.16,125.55 30.39,125.55 v1(27.42,122.58) ; D30.1 310.12,65.96 D29.1 267.6,65.96 D42.1 D31.1 16.37,46.79 16.2,46.97 v1(15.67,46.97)
  Bottom w0.2: v1(27.42,122.58) 27.42,119.47 24.47,116.53 24.47,101.4 13.9,111.98 13.9,113.29 12.88,114.31 9.69,114.31 8.83,113.46 8.83,100.4 6.79,98.35 6.79,55.23 15.05,46.97 v1(15.67,46.97)
ROW3: length 410.8
  Top w0.2: U1.19 35.3,125.15 30.84,125.15 18.98,113.29 18.98,112.41 16.85,110.29 16.85,96.88 13.86,93.88 13.86,43.18 28.91,28.13 D45.1 265.01,28.13 D56.1 265.18,32.71 D43.1 D44.1
ROW4: length 648.5
  Top w0.2: v1(4.3,11.5) 6.81,8.99 D59.1 302,8.99 303.81,10.8 D68.1 311.43,10.8 313,12.37 313,25.04 310.43,27.61 D58.1 D57.1 ; v1(24.59,118.06) 30.74,118.06 U1.18
  Bottom w0.2: D69.1 264.06,124.06 268,127.99 ; 268,127.99 307.01,127.99 308,127 308,101.8 312.1,97.7 312.1,29.85 D58.1 ; 268,127.99 261.98,127.99 D70.1 ; v1(4.3,11.5) 1.9,13.9 1.9,110.64 9.32,118.06 v1(24.59,118.06)
SCL: length 247.8
  Bottom w0.2: J1.3 244.05,123.28 244.05,125.44 237.45,132.04 11.7,132.04 U1.31
SDA: length 237.3
  Top w0.2: J1.4 239.16,118.53 41,118.53 38.92,116.45 23.06,116.45 v1(23.05,116.44) ; U1.1 7.76,115.64 v1(8.16,116.04)
  Bottom w0.2: v1(23.05,116.44) 8.55,116.44 v1(8.16,116.04)
Net-(D1-A): length 6.3
  Bottom w0.2: SW1.2 22.05,95.35 D1.2
Net-(D2-A): length 6.3
  Bottom w0.2: SW2.2 41.1,95.35 D2.2
Net-(D3-A): length 6.3
  Bottom w0.2: D3.2 60.15,95.34 SW3.2
Net-(D4-A): length 6.3
  Bottom w0.2: D4.2 79.2,95.33 SW4.2
Net-(D5-A): length 6.3
  Bottom w0.2: SW5.2 98.25,95.32 D5.2
Net-(D6-A): length 6.3
  Bottom w0.2: D6.2 117.3,95.31 SW6.2
Net-(D7-A): length 6.3
  Bottom w0.2: D7.2 136.35,95.3 SW7.2
Net-(D8-A): length 6.3
  Bottom w0.2: D8.2 155.4,95.3 SW8.2
Net-(D9-A): length 6.3
  Bottom w0.2: SW9.2 174.45,95.29 D9.2
Net-(D10-A): length 6.3
  Bottom w0.2: D10.2 193.5,95.28 SW10.2
Net-(D11-A): length 6.3
  Bottom w0.2: SW11.2 212.55,95.27 D11.2
Net-(D12-A): length 6.3
  Bottom w0.2: D12.2 231.6,95.26 SW12.2
Net-(D13-A): length 6.3
  Bottom w0.2: SW13.2 250.65,95.25 D13.2
Net-(D14-A): length 10.6
  Bottom w0.2: SW14.2 281.03,97.97 286.24,92.76 D14.2
Net-(D15-A): length 7.1
  Bottom w0.2: SW15.2 307.8,94.91 D15.2
Net-(D16-A): length 6.4
  Bottom w0.2: D16.2 26.81,76.2 SW16.2
Net-(D17-A): length 6.5
  Bottom w0.2: D17.2 50.62,76.36 SW17.2
Net-(D18-A): length 6.5
  Bottom w0.2: SW18.2 69.67,76.34 D18.2
Net-(D19-A): length 6.5
  Bottom w0.2: D19.2 88.72,76.33 SW19.2
Net-(D20-A): length 6.5
  Bottom w0.2: D20.2 107.77,76.32 SW20.2
Net-(D21-A): length 6.5
  Bottom w0.2: D21.2 126.82,76.3 SW21.2
Net-(D22-A): length 6.5
  Bottom w0.2: SW22.2 145.87,76.29 D22.2
Net-(D23-A): length 6.5
  Bottom w0.2: SW23.2 164.92,76.28 D23.2
Net-(D24-A): length 6.4
  Bottom w0.2: SW24.2 183.97,76.26 D24.2
Net-(D25-A): length 6.4
  Bottom w0.2: D25.2 203.02,76.25 SW25.2
Net-(D26-A): length 6.4
  Bottom w0.2: D26.2 222.07,76.24 SW26.2
Net-(D27-A): length 6.4
  Bottom w0.2: SW27.2 241.12,76.22 D27.2
Net-(D28-A): length 6.4
  Bottom w0.2: D28.2 260.17,76.21 SW28.2
Net-(D29-A): length 6.3
  Bottom w0.2: SW29.2 283.99,76.03 D29.2
Net-(D30-A): length 6.1
  Bottom w0.2: D30.2 307.8,76.52 SW30.2
Net-(D31-A): length 6.6
  Bottom w0.2: D31.2 29.19,57.12 SW31.2
Net-(D32-A): length 6.5
  Bottom w0.2: SW32.2 55.39,56.96 D32.2
Net-(D33-A): length 6.5
  Bottom w0.2: D33.2 74.44,56.96 SW33.2
Net-(D34-A): length 6.5
  Bottom w0.2: D34.2 93.49,56.96 SW34.2
Net-(D35-A): length 6.5
  Bottom w0.2: SW35.2 112.54,56.96 D35.2
Net-(D36-A): length 6.5
  Bottom w0.2: D36.2 131.59,56.96 SW36.2
Net-(D37-A): length 6.5
  Bottom w0.2: D37.2 150.64,56.96 SW37.2
Net-(D38-A): length 6.5
  Bottom w0.2: D38.2 169.69,56.96 SW38.2
Net-(D39-A): length 6.5
  Bottom w0.2: SW39.2 188.74,56.96 D39.2
Net-(D40-A): length 6.5
  Bottom w0.2: D40.2 207.79,56.96 SW40.2
Net-(D41-A): length 6.5
  Bottom w0.2: SW41.2 226.84,56.96 D41.2
Net-(D42-A): length 6.5
  Bottom w0.2: D42.2 245.89,56.96 SW42.2
Net-(D43-A): length 6.4
  Bottom w0.2: D43.2 276.84,57.17 SW43.2
Net-(D44-A): length 6.4
  Bottom w0.2: D44.2 307.8,57.21 SW44.2
Net-(D45-A): length 6.2
  Bottom w0.2: SW45.2 33.96,38.48 D45.2
Net-(D46-A): length 6.2
  Bottom w0.2: SW46.2 64.91,38.52 D46.2
Net-(D47-A): length 6.2
  Bottom w0.2: D47.2 83.96,38.5 SW47.2
Net-(D48-A): length 6.2
  Bottom w0.2: SW48.2 103.01,38.48 D48.2
Net-(D49-A): length 6.2
  Bottom w0.2: SW49.2 122.06,38.45 D49.2
Net-(D50-A): length 6.2
  Bottom w0.2: D50.2 141.11,38.43 SW50.2
Net-(D51-A): length 6.2
  Bottom w0.2: SW51.2 160.16,38.41 D51.2
Net-(D52-A): length 6.2
  Bottom w0.2: SW52.2 179.21,38.39 D52.2
Net-(D53-A): length 6.1
  Bottom w0.2: D53.2 198.26,38.37 SW53.2
Net-(D54-A): length 6.1
  Bottom w0.2: SW54.2 217.31,38.34 D54.2
Net-(D55-A): length 6.1
  Bottom w0.2: SW55.2 236.36,38.32 D55.2
Net-(D56-A): length 6.1
  Bottom w0.2: SW56.2 262.56,38.8 265.43,35.92
Net-(D57-A): length 6.1
  Bottom w0.2: D57.2 288.75,38.48 SW57.2
Net-(D58-A): length 6.1
  Bottom w0.2: SW58.2 307.8,38.43 D58.2
Net-(D59-A): length 6.2
  Bottom w0.2: D59.2 24.43,19.11 SW59.2
Net-(D60-A): length 6.3
  Bottom w0.2: D60.2 48.24,19.3 SW60.2
Net-(D61-A): length 6.3
  Bottom w0.2: D61.2 72.06,19.49 SW61.2
Net-(D62-A): length 6
  Bottom w0.2: 145.93,16.8 143.49,19.24 SW62.2
Net-(D63-A): length 6.3
  Bottom w0.2: SW63.2 212.55,19.37 D63.2
Net-(D64-A): length 6.3
  Bottom w0.2: SW64.2 231.6,19.34 D64.2
Net-(D65-A): length 6.3
  Bottom w0.2: SW65.2 250.65,19.32 D65.2
Net-(D66-A): length 6.3
  Bottom w0.2: SW66.2 269.7,19.29 D66.2
Net-(D67-A): length 6.3
  Bottom w0.2: SW67.2 288.75,19.27 D67.2
Net-(D68-A): length 3.7
  Bottom w0.2: 310.43,19.13 SW68.2

## Copper pours and planes (outline as drawn; the poured copper is in the pictures)
GND on Top, Bottom: 0,134 318,134 318,0 0,0

## Text on the board
F.Silkscreen: [ stat ] | [ axis ] | [ ctrl ]
